# Altium PCB radxa_nx4_io_board_v1.11.PcbDoc (part 7 of 13)
Units mil, origin at the board's own origin, x right, y up, seen from the top; angles counter-clockwise.
Board outline 3937.01 x 3110.23 mil, 6 copper layers (TOP, GND02, ART03, ART04, GND05, BOTTOM), stack 47.2 mil thick; 639 components, 522 nets, 2442 pads, 1896 vias.
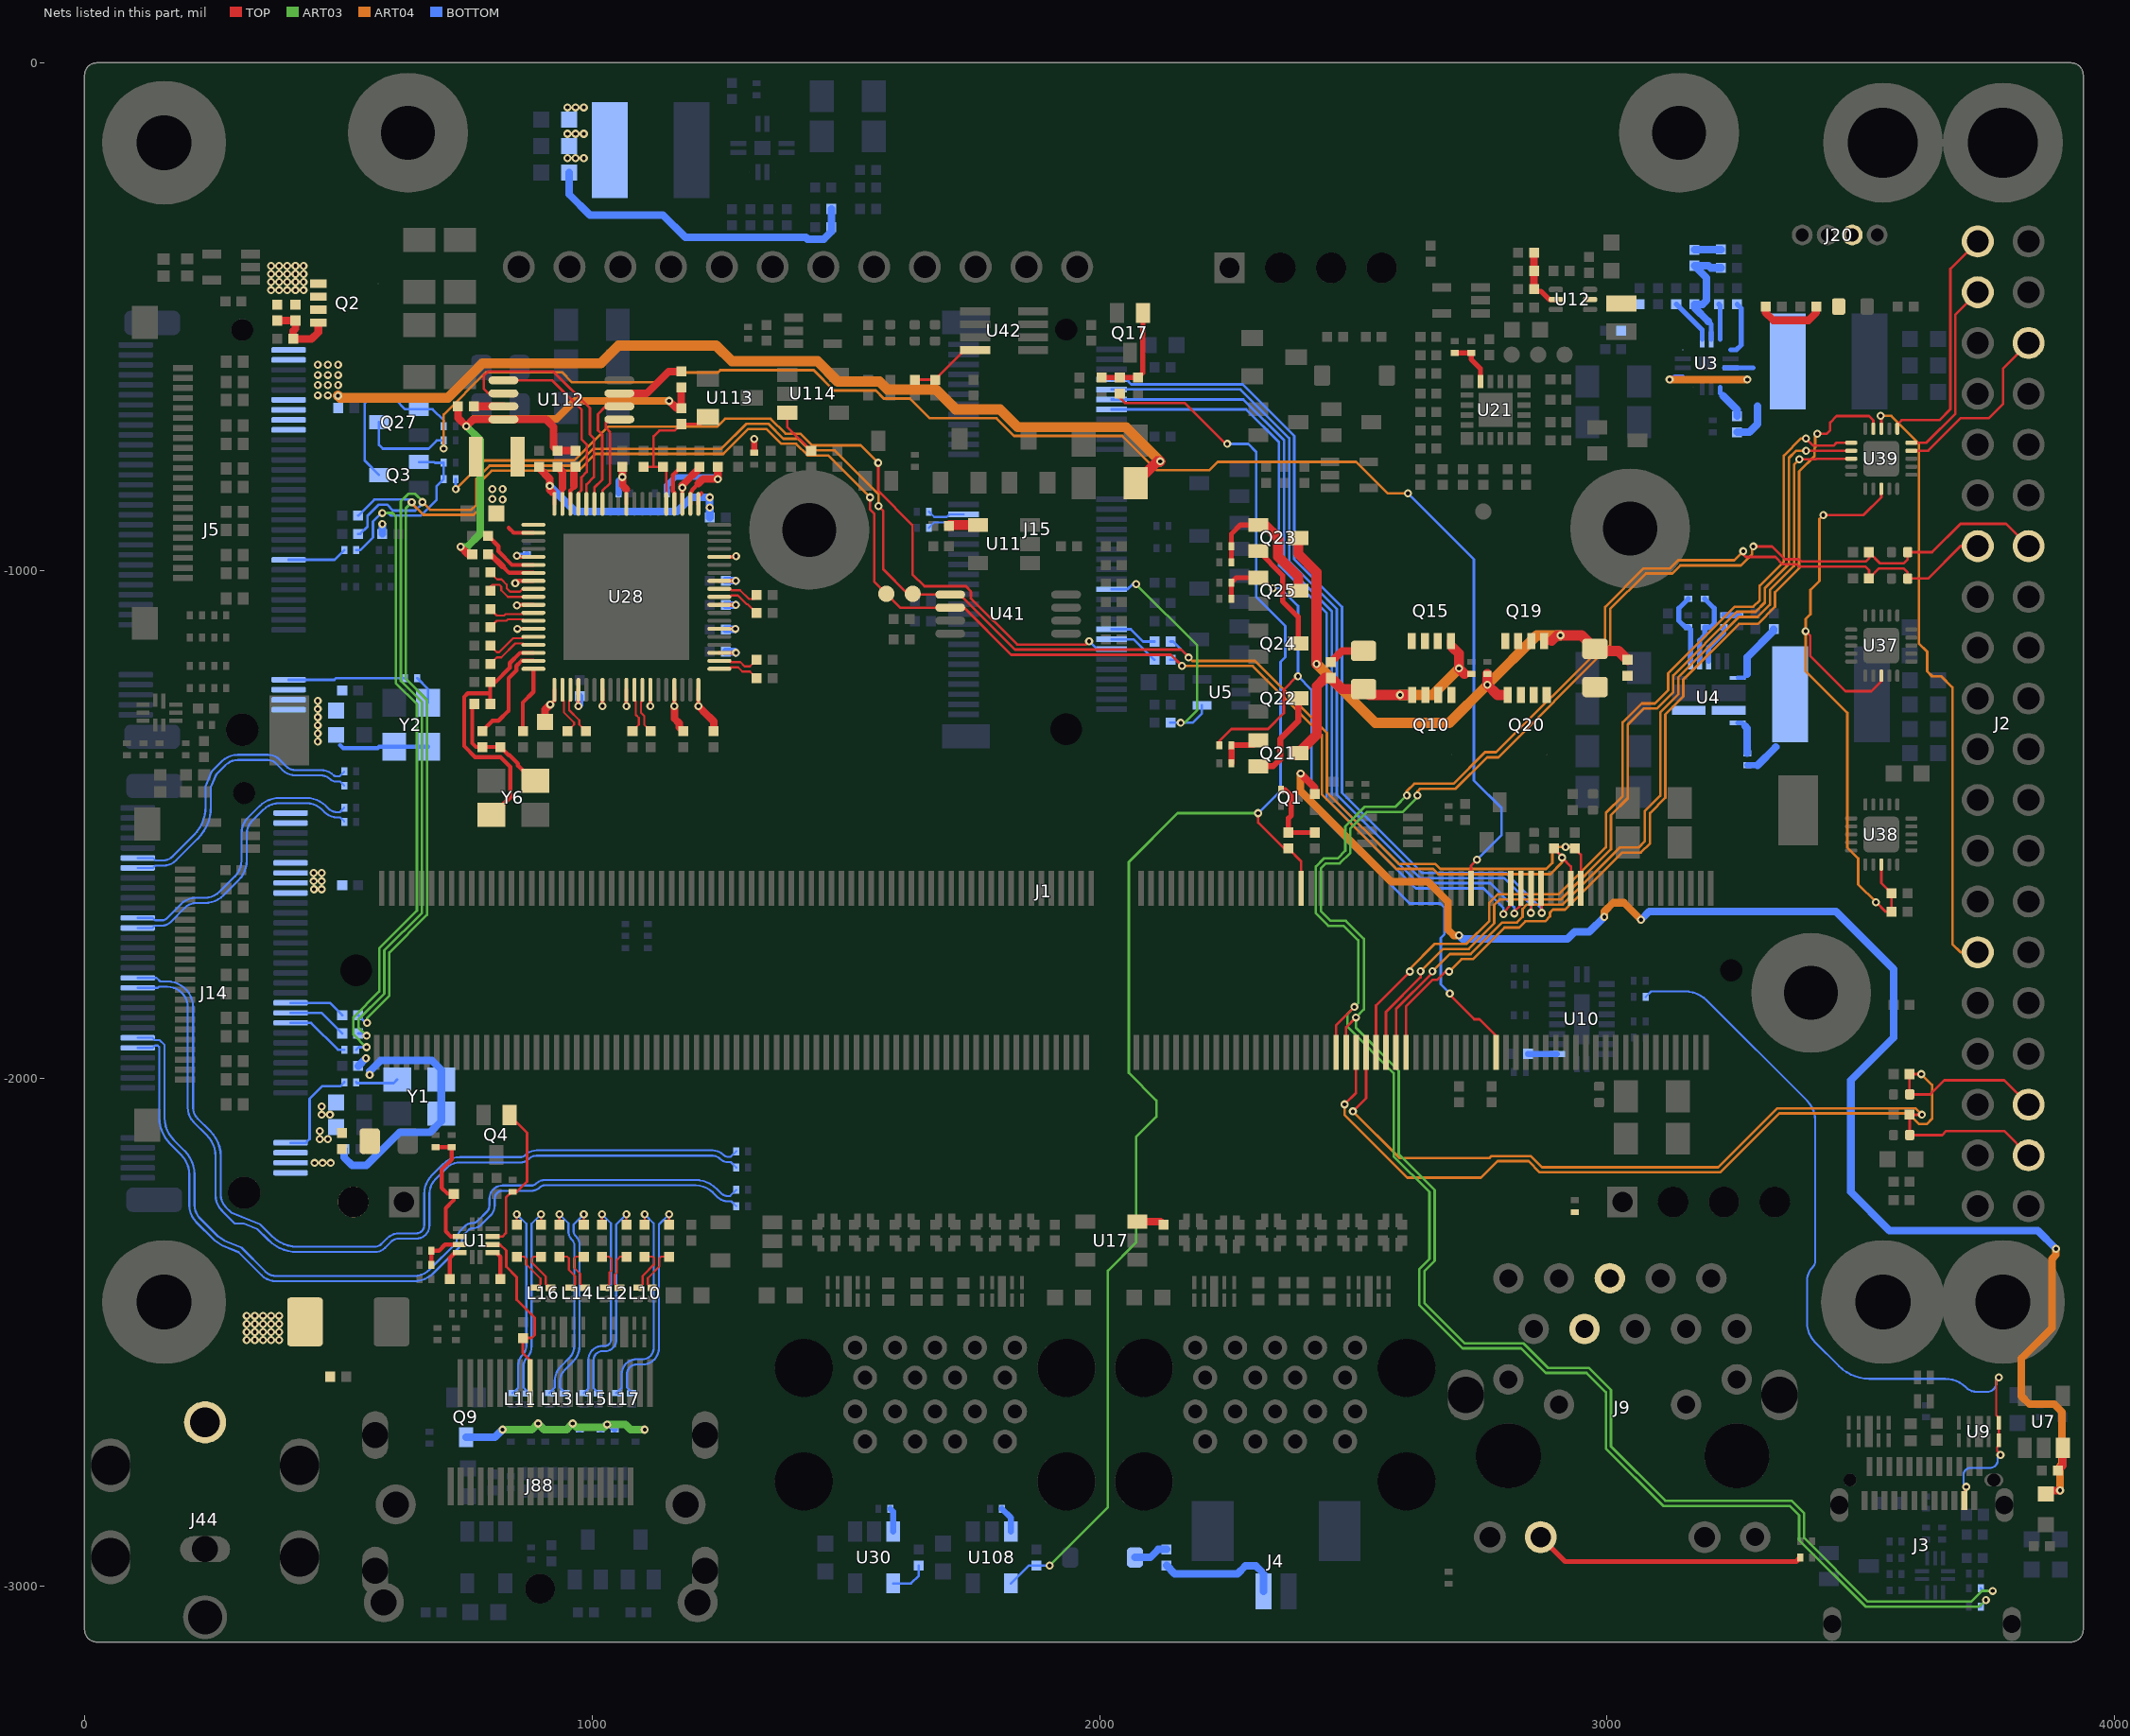
[diagram p11: the nets of this part, all layers, seen from the top]

## Via types
v1: diameter 16, hole 8, TOP to BOTTOM, 1896 vias

## Nets (pads, with @x,y where several pads share a name; then routed paths per layer and width w, separated by ;. In a path a pad name is that pad's centre, name@x,y a point inside that pad or via, vN(x,y) a via of type N, cw(c..) or ccw(c..) an arc to the next point about the centre after c; other vN are vias at no path point) (continued)
HUB_1V1: C398.1 C404.1 C405.1 C407.1 C408.1 C409.1 C410.1 L28.1 U28.3 U28.9 U28.12 U28.22 U28.40 U28.46 U28.49 U28.61 U28.67 U28.70 U28.76 | length 579.7
  TOP w8: 836,-916 846.02,-926.02 U28.40@884.93,-926.02 ; v1(849,-1025) 853.5,-1020.5 U28.46@884.93,-1020.5 ; v1(852.25,-1068.75) 853.25,-1067.75 U28.49@884.93,-1067.75 ; v1(973.51,-1267) U28.61@973.51,-1235.07 ; v1(1068,-1267.24) U28.67@1068,-1235.07 ; v1(1115.24,-1267.24) U28.70@1115.24,-1235.07 ; U28.22@1178.24,-868.93 v1(1178.24,-837) ; v1(1209.73,-1267.24) U28.76@1209.73,-1235.07 ; U28.3@1251.07,-1162.24 v1(1283.76,-1162.24) ; U28.9@1251.07,-1067.75 v1(1283.5,-1067.75) ; U28.12@1251.07,-1020.5 v1(1283.5,-1020.5)
  TOP w15: v1(1178.24,-837) 1178.24,-832.29 1212,-798.53 C410.1@1212,-795.75 ; v1(1209.73,-1267.24) 1220,-1277.51 ; 1220,-1277.53 1240,-1297.53 C408.1@1240,-1316.25
  BOTTOM w15: v1(973.51,-1267) 976,-1264.51 C407.1@976,-1247.75 ; C409.1@1263.75,-1160 1281.52,-1160 v1(1283.76,-1162.24) ; C405.1@1263.75,-1068 1283.25,-1068 v1(1283.5,-1067.75) ; C404.1@1263.75,-1020 1283,-1020 v1(1283.5,-1020.5)
  other v1: 824,-860 804,-859.25 804,-840 824,-840
HUB_3V3: C388.1 C414.1 C417.1 C418.1 C419.1 R176.2 R177.2 R178.2 R179.2 R318.2 R324.2 R329.1 R331.2 R340.2 R341.2 U28.6 U28.15 U28.21 U28.29 U28.43 U28.52 U28.58 U28.64 U28.73 U112.8 | length 1845.3
  TOP w8: v1(852.09,-970.95) 854.4,-973.26 U28.43@884.93,-973.26 ; v1(853.01,-1114.99) U28.52@884.93,-1114.99 ; v1(918,-1264) 926.27,-1255.73 U28.58@926.27,-1235.07 ; v1(1020.76,-1267.24) U28.64@1020.76,-1235.07 ; U28.29@1068,-868.93 1068,-840 ; v1(1162.49,-1267.24) U28.73@1162.49,-1235.07 ; U28.21@1193.98,-868.93 1193.98,-850.84 1198.22,-840.6 1209.63,-829.19 ; U28.6@1251.07,-1114.99 v1(1282.74,-1114.99) ; U28.15@1251.07,-973.26 1282.74,-973.26 v1(1284,-972)
  TOP w12: R177.2@1320,-768.19 v1(1320,-741)
  TOP w15: R329.1@736.25,-677 736.25,-699.55 v1(752.7,-716) 766.3,-702.4 U112.8@825.8,-702.4 909.82,-702.4 924.5,-717.08 924.5,-756.75 R341.2@932,-764.25 R340.2@968,-764.25 ; v1(741.41,-953.41) 756,-968 R324.2@764.25,-968 ; C388.1@908,-1298.44 908,-1274 v1(918,-1264) ; C417.1@1060,-795.75 v1(1060,-816) 1060,-832 1068,-840 ; v1(1152,-666) 1166.25,-680.25 R318.2@1176,-680.25 R331.2@1176,-639.75 ; v1(1162.49,-1267.24) 1162.49,-1291.42 1172,-1300.93 1172,-1308.25 C418.1@1180,-1316.25 ; 1209.63,-829.19 1218.82,-820 v1(1248,-820) C419.1@1248,-795.75
  ART03 w15: v1(741.41,-953.41) 754.59,-953.41 780,-928 780,-743.3 v1(752.7,-716)
  ART04 w15: v1(752.7,-716) 767.2,-701.5 930.5,-701.5 966,-666 v1(1152,-666)
  BOTTOM w12: v1(852.09,-970.95) 868.86,-970.95 R178.2@872,-967.81 ; R179.2@1052.19,-848 1052.19,-823.81 v1(1060,-816) ; R176.2@1147.81,-848 1147.81,-832.19 1164,-816 1244,-816 v1(1248,-820)
  BOTTOM w15: C414.1@1263.75,-1116 1281.73,-1116 v1(1282.74,-1114.99)
HUB_RST_3V3: C382.2 R318.1 R342.1 U28.24 U113.2 | length 296.7
  TOP w5: R342.1@1102,-795.75 1121.66,-795.75 ; U28.24@1146.74,-868.93 1146.74,-802.49 C382.2@1140,-795.75 1121.66,-795.75 ; U113.2@1228.69,-697.4 1214.34,-711.75 R318.1@1176,-711.75 1163.25,-724.5 1133.16,-724.5 1121.66,-736 1121.66,-795.75
HUB_SPI_CLK: U28.34 U112.6 | length 508.5
  TOP w5: U112.6@825.8,-651.2 796.25,-651.2 787,-641.95 787,-617 796,-608 924,-608 996,-680 996,-732 1004,-740 1004,-816.01 989.26,-830.75 U28.34@989.26,-868.93
HUB_SPI_CS: U28.32 U112.1 | length 199.5
  TOP w5: U28.32@1020.76,-868.93 1020.76,-843.24 1036,-828 1036,-728 1027.54,-719.54 1027.54,-708.46 1033.6,-702.4 U112.1@1054.2,-702.4
HUB_SPI_D: U28.35 U112.5 | length 374.2
  TOP w5: U112.5@825.8,-625.6 921.6,-625.6 980,-684 980,-742.14 989.86,-752 989.86,-806.14 979.26,-816.74 979.26,-841.84 973.51,-847.59 U28.35@973.51,-868.93
HUB_SPI_Q: U28.33 U112.2 | length 235.2
  TOP w5: U28.33@1005.01,-868.93 1005.01,-836.71 1020.25,-821.47 1020.25,-732.25 1012,-724 1012,-692 1027.2,-676.8 U112.2@1054.2,-676.8
HUB_XI: C379.2 R323.1 U28.55 Y6.1 | length 528.3
  TOP w8: R323.1@799.75,-1263 799.75,-1241.84 ; Y6.1@801.69,-1481.46 804.63,-1481.46 839.25,-1446.84 839.25,-1386.77 820.07,-1367.59 770.01,-1367.59 748.41,-1345.99 748.41,-1249 755.57,-1241.84 799.75,-1241.84 ; U28.55@884.93,-1162.24 858.62,-1162.24 838.31,-1182.55 838.31,-1191.48 809.79,-1220 C379.2@799.75,-1220 799.75,-1241.84
HUB_XO: R317.2 U28.56 | length 200.9
  TOP w8: R317.2@784,-1316.25 804.12,-1296.13 816.07,-1296.13 836,-1276.2 836,-1212.18 851.31,-1196.87 851.31,-1187.94 861.27,-1177.98 U28.56@884.93,-1177.98
I2C1_SCL: D62.2 J1.189 J2.5 R5.2 | length 1850.4
  TOP w5: v1(2482.53,-2051.57) 2505.31,-2028.79 J1.189@2505.31,-1948.92 ; v1(3618.59,-1992) R5.2@3595.75,-1992 3595.75,-2031.75 D62.2@3596,-2032 3636,-2032 3664,-2004 3782,-2004 J2.5@3830,-2052
  ART04 w5: v1(2482.53,-2051.57) 2482.53,-2072.45 2606.08,-2196 2751.45,-2196 2784,-2163.45 2845.19,-2163.45 2867.24,-2185.5 3222.96,-2185.5 3339.21,-2069.25 3593.25,-2069.25 3614,-2090 3630,-2090 3640,-2080 3640,-2013.41 v1(3618.59,-1992)
I2C1_SDA: D63.2 J1.191 J2.3 R6.2 | length 1672
  TOP w5: v1(2499.03,-2065.42) 2524.99,-2039.46 J1.191@2524.99,-1948.92 ; v1(3620,-2072) R6.2@3595.75,-2072 3596,-2072.25 D63.2@3596,-2112 3660,-2112 3668,-2104 3782,-2104 J2.3@3830,-2152
  ART04 w5: v1(2499.03,-2065.42) 2590.95,-2157.34 2768.09,-2157.34 2771.98,-2153.45 2849.34,-2153.45 2871.39,-2175.5 3218.81,-2175.5 3335.06,-2059.25 3607.25,-2059.25 v1(3620,-2072)
I2C2_M2E_SCL: J15.60 R172.2 | length 101.3
  BOTTOM w5: J15.60@2023.74,-1135.56 2067.2,-1135.56 2107.64,-1176 R172.2@2108.25,-1176
I2C2_M2E_SDA: J15.58 R173.2 | length 94.5
  BOTTOM w5: J15.58@2023.74,-1115.87 2061.67,-1115.87 2085.8,-1140 R173.2@2108.25,-1140
I2C2_M2M_SCL: J14.40 R158.2 | length 111.7
  BOTTOM w5: J14.40@406.63,-1851.69 483.94,-1851.69 R158.2@508.25,-1876
I2C2_M2M_SDA: J14.42 R159.2 | length 118.4
  BOTTOM w5: J14.42@406.63,-1871.37 467.62,-1871.37 R159.2@508.25,-1912
I2C2_SCL: J1.232 R4.2 R94.1 R158.1 R172.1 TP34.1 U41.6 | length 4281.3
  TOP w5: v1(1548.05,-856.06) 1548.05,-880.05 1556,-888 1556,-1022 TP34.1@1580,-1046 1607.2,-1073.2 U41.6@1705.8,-1073.2 1733.2,-1073.2 1826,-1166 2140.41,-1166 v1(2162.41,-1188) ; R4.2@2895,-1547.75 2911.12,-1563.87 v1(2911.12,-1565.56) 2928.54,-1582.98 J1.232@2928.54,-1626.09
  ART03 w5: v1(556.87,-1891.12) 556.87,-1881.92 601.1,-1837.69 601.1,-1752.6 675.33,-1678.37 675.33,-1255.03 633.7,-1213.4 633.7,-877 v1(645.2,-865.5)
  ART04 w5: v1(645.2,-865.5) 645.2,-867.69 668.01,-890.5 766.99,-890.5 782.5,-874.99 782.5,-823.65 802.65,-803.5 973.58,-803.5 1006.58,-770.5 1258.99,-770.5 1308.24,-721.25 1343.72,-721.25 1372.97,-750.5 1402.2,-750.5 1425.2,-773.5 1465.49,-773.5 v1(1548.05,-856.06) ; v1(2162.41,-1188) 2162.5,-1188.09 2301.95,-1188.09 2437.85,-1323.99 2437.85,-1440.8 2585.13,-1588.08 2657.28,-1588.08 2667.2,-1598 2887.86,-1598 2911.12,-1574.74 v1(2911.12,-1565.56)
  BOTTOM w5: R158.1@539.75,-1876 554.87,-1891.12 v1(556.87,-1891.12) ; R94.1@539.75,-892 571.41,-860.34 640.04,-860.34 v1(645.2,-865.5) ; R172.1@2139.75,-1176 2150.41,-1176 v1(2162.41,-1188)
I2C2_SDA: J1.234 R3.2 R93.1 R159.1 R173.1 TP35.1 U41.5 | length 4434.9
  TOP w5: v1(1564.55,-873.21) 1574,-882.66 1574,-998 1622,-1046 TP35.1@1632,-1046 1633.6,-1047.6 U41.5@1705.8,-1047.6 1724.96,-1047.6 1833.36,-1156 2160.68,-1156 2175.52,-1170.84 v1(2175.52,-1171.5) ; v1(2918,-1544.75) 2933,-1544.75 R3.2@2936,-1547.75 2948.22,-1559.97 J1.234@2948.22,-1626.09
  ART03 w5: v1(556,-1916.49) 556,-1916 540.37,-1900.37 540.37,-1884.27 591.1,-1833.54 591.1,-1748.45 665.33,-1674.22 665.33,-1259.18 623.7,-1217.55 623.7,-863.66 638.36,-849 652.04,-849 666.2,-863.16 v1(666.2,-865.35)
  ART04 w5: v1(666.2,-865.35) 681.35,-880.5 762.84,-880.5 772.5,-870.84 772.5,-819.5 798.5,-793.5 969.43,-793.5 1002.43,-760.5 1254.84,-760.5 1304.09,-711.25 1347.87,-711.25 1377.12,-740.5 1406.35,-740.5 1429.35,-763.5 1478.83,-763.5 1564.55,-849.22 v1(1564.55,-873.21) ; v1(2175.52,-1171.5) 2176.18,-1171.5 2182.77,-1178.09 2306.1,-1178.09 2447.85,-1319.84 2447.85,-1436.65 2589.28,-1578.08 2661.43,-1578.08 2671.35,-1588 2880,-1588 2892,-1576 2892,-1551.99 2899.24,-1544.75 v1(2918,-1544.75)
  BOTTOM w5: R159.1@539.75,-1912 551.51,-1912 v1(556,-1916.49) ; R93.1@539.75,-928 543.91,-928 558.09,-913.82 558.09,-892.66 580.41,-870.34 596.49,-870.34 608.15,-882 652.04,-882 666.2,-867.84 v1(666.2,-865.35) ; R173.1@2139.75,-1140 2145.05,-1140 2175.52,-1170.47 v1(2175.52,-1171.5)
I2S0_LRCK: J1.197 U39.3 | length 1725.6
  TOP w5: J1.197@2584.05,-1948.92 2584.05,-1864.02 2655.66,-1792.41 v1(2655.66,-1789.66) ; v1(3378.79,-780.85) 3411.24,-780.85 3412.09,-780 U39.3@3480.76,-780
  ART04 w5: v1(2655.66,-1789.66) 2689.82,-1755.5 2731.22,-1755.5 2793.39,-1693.33 2822.35,-1693.33 2833.3,-1682.38 2833.3,-1666.7 2842,-1658 2912.77,-1658 3025.23,-1545.54 3062.16,-1545.54 3074.32,-1533.38 3074.32,-1473.73 3104.5,-1443.55 3104.5,-1279.55 3140,-1244.05 3140,-1210.84 3259.33,-1091.51 3296.36,-1091.51 3320.51,-1067.36 3320.51,-1038.62 3368,-991.13 3368,-791.64 v1(3378.79,-780.85)
I2S0_LRCK_LS: J2.35 U39.14 | length 359.7
  TOP w5: U39.14@3599.24,-764.25 3632.39,-764.25 3696.64,-700 3752,-700 3780,-672 3780,-602 J2.35@3830,-552
I2S0_SCLK: J1.199 U39.19 | length 1826.9
  TOP w5: J1.199@2603.73,-1948.92 2603.73,-1858.49 2655.79,-1806.43 2664.98,-1806.43 2681.48,-1789.93 v1(2688.66,-1789.93) ; v1(3413.64,-730.97) 3432.37,-730.97 3439.15,-724.19 3439.15,-708.84 3451.99,-696 3516,-696 3524.25,-704.25 U39.19@3524.25,-720.76
  ART04 w5: v1(2688.66,-1789.93) 2713.09,-1765.5 2735.37,-1765.5 2797.54,-1703.33 2826.51,-1703.33 2838.84,-1691 2877.66,-1691 2887.3,-1681.36 2887.3,-1674.02 2893.32,-1668 2916.92,-1668 3029.38,-1555.54 3066.31,-1555.54 3084.32,-1537.53 3084.32,-1477.88 3114.5,-1447.7 3114.5,-1283.7 3150,-1248.2 3150,-1214.99 3259.66,-1105.33 3296.69,-1105.33 3330.51,-1071.51 3330.51,-1042.77 3378,-995.28 3378,-804.98 3408.4,-774.58 3408.4,-759.6 3409.64,-758.36 3409.64,-734.97 v1(3413.64,-730.97)
I2S0_SCLK_LS: J2.12 U39.18 | length 1204.1
  TOP w5: v1(3538.73,-695.61) 3540,-696.88 U39.18@3540,-720.76
  ART04 w5: v1(3538.73,-695.61) 3559.61,-695.61 3613.98,-749.98 3613.98,-1143.49 3630.5,-1160.01 3630.5,-1198.85 3640.15,-1208.5 3658.35,-1208.5 3680,-1230.15 3680,-1736 3696,-1752 J2.12@3730,-1752
I2S0_SDIN: J1.195 U39.2 | length 1764.9
  TOP w5: J1.195@2564.36,-1948.92 2564.36,-1869.55 2632.38,-1801.53 v1(2632.38,-1789.6) ; v1(3391.9,-764.35) 3392,-764.25 U39.2@3480.76,-764.25
  ART04 w5: v1(2632.38,-1789.6) 2676.48,-1745.5 2727.07,-1745.5 2777.55,-1695.02 2777.55,-1658.75 2788.3,-1648 2908.62,-1648 3007.5,-1549.12 3007.5,-1481.72 3040.5,-1448.72 3040.5,-1303.5 3072.12,-1271.88 3098.02,-1271.88 3130,-1239.9 3130,-1206.69 3255.18,-1081.51 3292.21,-1081.51 3310.51,-1063.21 3310.51,-1034.47 3358,-986.98 3358,-778.3 3371.95,-764.35 v1(3391.9,-764.35)
I2S0_SDIN_LS: J2.38 U39.15 | length 367.8
  TOP w5: U39.15@3599.24,-748.5 3628.5,-748.5 3686,-691 3686,-496 J2.38@3730,-452
I2S0_SDOUT: J1.193 U39.1 | length 1806.6
  TOP w5: J1.193@2544.68,-1948.92 2544.68,-1856.63 v1(2611.38,-1789.93) ; v1(3391.33,-740) 3405.58,-754.25 3446.25,-754.25 3452,-748.5 U39.1@3480.76,-748.5
  ART04 w5: v1(2611.38,-1789.93) 2611.38,-1784.61 2660.49,-1735.5 2722.92,-1735.5 2767.55,-1690.87 2767.55,-1654.6 2784.15,-1638 2904.47,-1638 2997.5,-1544.97 2997.5,-1477.57 3030.5,-1444.57 3030.5,-1299.34 3067.96,-1261.88 3093.87,-1261.88 3120,-1235.75 3120,-1202.54 3251.03,-1071.51 3288.06,-1071.51 3300.51,-1059.06 3300.51,-1030.32 3348,-982.83 3348,-774.15 3382.15,-740 v1(3391.33,-740)
I2S0_SDOUT_LS: J2.40 U39.16 | length 478
  TOP w5: U39.16@3571.5,-720.76 3571.5,-712.5 3580,-704 3654.34,-704 3676,-682.34 3676,-406 J2.40@3730,-352
I2S1_LRCK: J1.224 J15.10 | length 1667.3
  TOP w5: v1(2849.8,-1674.5) J1.224@2849.8,-1626.09
  BOTTOM w5: J15.10@2023.74,-643.43 2277.71,-643.43 2373.52,-739.24 2373.52,-981.82 2467.5,-1075.8 2467.5,-1442.14 2631.36,-1606 2796.74,-1606 2849.8,-1659.06 v1(2849.8,-1674.5)
I2S1_SCLK: J1.226 J15.8 | length 1693
  TOP w5: J1.226@2869.48,-1626.09 2869.48,-1658.58 2870.8,-1659.9 v1(2870.8,-1674.5)
  BOTTOM w5: J15.8@2023.74,-623.74 2053.06,-623.74 2062.75,-633.43 2281.86,-633.43 2383.52,-735.09 2383.52,-977.67 2477.5,-1071.65 2477.5,-1437.99 2635.51,-1596 2800.9,-1596 2870.8,-1665.9 v1(2870.8,-1674.5)
I2S1_SDIN: J1.222 J15.12 | length 1631.4
  TOP w5: v1(2816.8,-1675.53) 2816.8,-1671.89 2830.11,-1658.58 J1.222@2830.11,-1626.09
  BOTTOM w5: J15.12@2023.74,-663.11 2283.24,-663.11 2363.52,-743.39 2363.52,-985.97 2457.5,-1079.95 2457.5,-1446.29 2627.21,-1616 2769.83,-1616 2816.8,-1662.97 v1(2816.8,-1675.53)
I2S1_SDOUT: J1.220 J15.14 | length 1604
  TOP w5: v1(2795.83,-1676.83) 2795.83,-1673.16 2810.43,-1658.56 J1.220@2810.43,-1626.09
  BOTTOM w5: J15.14@2023.74,-682.8 2288.78,-682.8 2353.52,-747.54 2353.52,-990.12 2447.5,-1084.1 2447.5,-1450.44 2623.06,-1626 2756.49,-1626 2795.83,-1665.34 v1(2795.83,-1676.83)
ID_I2C_SCL: D60.2 J1.185 J2.28 R1.2 R86.1 | length 4303.9
  TOP w5: J1.185@2465.94,-1948.92 2465.94,-1895.74 v1(2501.97,-1859.71) ; v1(3268,-962.24) 3268,-968.5 3273,-973.5 3331.34,-973.5 3345.84,-988 3373.8,-988 3378.14,-992.34 3508.34,-992.34 3515.75,-999.75 R1.2@3515.75,-1016 3535.75,-996 3584,-996 3592,-1004 D60.2@3592,-1016 3632.01,-1016 3696.01,-952 J2.28@3730,-952
  ART03 w5: v1(2605.29,-1442.95) 2582.79,-1465.45 2522.55,-1465.45 2484,-1504 2484,-1552 2468.88,-1567.12 2441.77,-1567.12 2426,-1582.89 2426,-1675.2 2450.74,-1699.94 2480.84,-1699.94 2509.53,-1728.63 2509.53,-1852.15 v1(2501.97,-1859.71) 2488.38,-1873.3 2488.38,-1898.64 2579.5,-1989.76 2579.5,-2153.65 2650,-2224.15 2650,-2355.85 2630,-2375.85 2630,-2447.1 2714.97,-2532.07 2830.58,-2532.07 2879.01,-2580.5 2959.4,-2580.5 2997.5,-2618.6 2997.5,-2729.5 3110.35,-2842.35 3359.22,-2842.35 3378.03,-2861.16 3378.03,-2910.03 3508.86,-3040.86 3733.14,-3040.86 v1(3746,-3028)
  ART04 w5: v1(2605.29,-1442.95) 2605.29,-1434.71 2619.91,-1420.09 2697.25,-1420.09 2759.34,-1358 2781.34,-1358 2996,-1143.34 2996,-1072 3072,-996 3124,-996 3139.99,-980.01 3250.23,-980.01 v1(3268,-962.24)
  BOTTOM w5: R86.1@3735.81,-3040.86 3735.81,-3038.19 v1(3746,-3028)
ID_I2C_SDA: D61.2 J1.187 J2.27 R2.2 R88.1 | length 4390.4
  TOP w5: J1.187@2485.62,-1948.92 2485.62,-1899.96 v1(2505.1,-1880.48) ; v1(3287.89,-952.76) 3324.75,-952.76 3349.99,-978 3377.95,-978 3382.29,-982.34 3509.65,-982.34 3515.75,-976.24 R2.2@3515.75,-964 3537.75,-986 3584,-986 3592,-978 D61.2@3592,-964 3640,-964 3696,-908 3786,-908 J2.27@3830,-952
  ART03 w5: v1(2626.29,-1443.01) 2626.29,-1446.7 2597.54,-1475.45 2526.7,-1475.45 2494,-1508.15 2494,-1556.15 2473.03,-1577.12 2445.92,-1577.12 2436,-1587.04 2436,-1671.05 2454.89,-1689.94 2484.99,-1689.94 2520.73,-1725.68 2520.73,-1864.85 v1(2505.1,-1880.48) 2505.1,-1901.2 2589.5,-1985.6 2589.5,-2149.5 2660,-2220 2660,-2360 2640,-2380 2640,-2442.95 2719.12,-2522.07 2834.73,-2522.07 2883.16,-2570.5 2963.55,-2570.5 3007.5,-2614.45 3007.5,-2725.35 3114.5,-2832.35 3363.37,-2832.35 3388.03,-2857.01 3388.03,-2905.88 3513.01,-3030.86 3717.14,-3030.86 3738.11,-3009.89 v1(3759.18,-3009.89)
  ART04 w5: v1(2626.29,-1443.01) 2626.29,-1435.09 2631.29,-1430.09 2701.4,-1430.09 2763.49,-1368 2785.49,-1368 3006,-1147.49 3006,-1076.15 3076.15,-1006 3128.15,-1006 3144.14,-990.01 3263.58,-990.01 3285.18,-968.41 3285.18,-955.47 v1(3287.89,-952.76)
  BOTTOM w5: R88.1@3735.81,-3004.86 3740.84,-3009.89 v1(3759.18,-3009.89)
LED0_CTRL: Q1.1 R13.2 R14.2 | length 151.7
  TOP w10: Q1.1@2357.49,-1432.15 2365.99,-1432.15 2377.59,-1443.75 2377.59,-1482.42 2372,-1488.01 R14.2@2372,-1516.25 R13.2@2424,-1516.25
LED1_CTRL: Q17.1 R222.2 R225.2 R226.2 | length 203.6
  TOP w10: R222.2@2004,-620.25 R226.2@2040,-620.25 R225.2@2076,-620.25 2085,-611.25 2085,-522.91 2085.59,-522.32 Q17.1@2085.59,-492.63
LS_EN: R200.2 R202.2 U37.8 U38.8 U39.8 | length 1359.8
  TOP w5: v1(3390.99,-1119.64) 3400,-1128.65 3400,-1168.55 3469.19,-1237.74 3520.41,-1237.74 3540,-1218.15 U37.8@3540,-1207.24 ; v1(3425.64,-890.95) 3505.05,-890.95 3540,-856 U39.8@3540,-839.24 ; v1(3529.5,-1653.5) 3548,-1672 R200.2@3560.25,-1672 R202.2@3560.25,-1636 3540,-1615.75 U38.8@3540,-1579.24
  ART04 w5: v1(3425.64,-890.95) 3418,-898.59 3418,-1020.54 3400.23,-1038.31 3400.23,-1086.31 3390.99,-1095.55 v1(3390.99,-1119.64) 3390.99,-1198.41 3473,-1280.42 3473,-1545.64 3494.5,-1567.14 3494.5,-1618.5 v1(3529.5,-1653.5)
M2_ALERT*: J1.212 Q27.3 R64.2 | length 3210.7
  TOP w5: J1.212@2731.69,-1626.09 2731.69,-1581.53 v1(2743.72,-1569.5)
  ART04 w5: v1(708,-760) 708.19,-759.81 708.19,-693.04 791.73,-609.5 941.16,-609.5 961.16,-629.5 1132,-629.5 1151.15,-610.35 1248,-610.35 1252.85,-605.5 1437.04,-605.5 1477.04,-645.5 1559.13,-645.5 1574.88,-661.25 1626.84,-661.25 1665.78,-700.19 1796.85,-700.19 1831.7,-735.04 2044.92,-735.04 2112.55,-802.67 2216.38,-802.67 2232.89,-786.16 2505.5,-786.16 2567.59,-848.25 v1(2607.59,-848.25)
  BOTTOM w5: Q27.3@580.63,-708 580.63,-752.64 587.99,-760 678.46,-760 694.46,-744 R64.2@708.19,-744 708.19,-759.81 v1(708,-760) ; v1(2607.59,-848.25) 2737.5,-978.16 2737.5,-1413.8 2792,-1468.3 2792,-1521.22 v1(2743.72,-1569.5)
M2E_ALERT*: J15.62 R66.2 | length 1659.9
  TOP w5: v1(1564,-788) 1564,-843.28 1631.5,-910.78 1631.5,-1007.5 1655.2,-1031.2 1736.88,-1031.2 1746.84,-1041.16 1746.84,-1055.33 1837.51,-1146 1972.95,-1146 v1(1979.45,-1139.5)
  ART04 w5: v1(731.81,-839.81) 788.12,-783.5 965.28,-783.5 1031.78,-717 1246.37,-717 1262.12,-701.25 1352.02,-701.25 1381.27,-730.5 1410.5,-730.5 1433.5,-753.5 1529.5,-753.5 v1(1564,-788)
  BOTTOM w5: v1(731.81,-839.81) R66.2@731.81,-820 ; v1(1979.45,-1139.5) 1995.19,-1155.24 J15.62@2023.74,-1155.24
M2E_SUSCLK_32KHZ: J15.50 R28.2 U5.4 | length 478.8
  ART03 w5: v1(2072,-1027) 2192.5,-1147.5 2192.5,-1274.9 2167.4,-1300 v1(2160,-1300)
  BOTTOM w5: J15.50@2023.74,-1037.13 2054.87,-1037.13 2065,-1027 v1(2072,-1027) ; R28.2@2139.75,-1300 v1(2160,-1300) 2183.37,-1300 2201.81,-1281.56 U5.4@2201.81,-1265.59
M2M0_ALERT*: J5.44 R65.2 | length 117.5
  BOTTOM w5: J5.44@402.63,-979.06 493.13,-979.06 R65.2@512.19,-960
M2M1_ALERT*: Q3.1 R62.2 R65.1 R66.1 R67.1 | length 1527.4
  ART03 w5: v1(556,-1939) 555.16,-1939 530.37,-1914.21 530.37,-1880.12 581.1,-1829.39 581.1,-1744.3 655.33,-1670.07 655.33,-1263.33 613.7,-1221.7 613.7,-893.15 607.39,-886.84 v1(587.25,-886.84)
  BOTTOM w5: R67.1@535.81,-1944 540.81,-1939 v1(556,-1939) ; R65.1@535.81,-960 544,-960 568.91,-935.09 568.91,-903.75 585.82,-886.84 v1(587.25,-886.84) 598.84,-886.84 604,-892 662.9,-892 694.16,-860.74 694.16,-834.03 R66.1@708.19,-820 R62.2@708.19,-788 690.78,-788 689.19,-786.41 Q3.1@659.37,-786.41
M2M_SUSCLK_32KHZ: J5.68 R68.2 | length 231
  BOTTOM w5: J5.68@402.63,-1215.28 402.74,-1215.39 492.62,-1215.39 496.01,-1212 R68.2@632.19,-1212
M2M_SUSCLK_32KHZ_64511: J14.68 R61.2 | length 201.6
  BOTTOM w5: J14.68@406.63,-2127.28 436.74,-2127.28 444,-2120.02 444,-2040.38 468.38,-2016 504.19,-2016 R61.2@512.19,-2008
MKEY_3V3: C73.1 C76.1 C77.1 C100.1 C117.1 C119.1 C120.1 C126.1 C127.1 C128.1 C140.1 J5.2 J5.4 J5.12 J5.14 J5.16 J5.18 J5.70 J5.72 J5.74 J14.2 J14.4 J14.12 J14.14 J14.16 J14.18 J14.70 J14.72 J14.74 L2.2 R71.1 R91.1 R123.1 R125.1 R156.1 Y1.1 Y1.4 Y2.1 Y2.4 | length 3204.6
  TOP w20: R91.1@2071.18,-828 2114.01,-785.17 v1(2119.8,-785.17)
  ART04 w20: v1(500,-656) 504,-660 716.48,-660 784.48,-592 1017.5,-592 1052.5,-557 1245,-557 1276,-588 1444.29,-588 1484.29,-628 1566.38,-628 1582.13,-643.75 1677.71,-643.75 1716.65,-682.69 1804.1,-682.69 1838.95,-717.54 2052.17,-717.54 v1(2119.8,-785.17)
  BOTTOM w7.87: 504,-1344 510,-1350 578.01,-1350 580.7,-1347.31 Y2.1@610.54,-1347.31 Y2.4@677.46,-1347.31
  BOTTOM w15: C128.1@512.25,-2140 512.25,-2156.25 528,-2172 556,-2172 621.42,-2106.58 681.42,-2106.58 703.31,-2084.69 Y1.1@703.31,-2069.46 Y1.4@703.31,-2002.54 703.31,-1983.31 685.42,-1965.42 583.52,-1965.42 562.17,-1986.77 v1(562.17,-1993.23) ; R156.1@539.75,-1976 v1(554.88,-1960.87) ; R71.1@587.25,-928 v1(587.25,-908.75) ; C117.1@955.56,-216 955.56,-259.56 996,-300 1140,-300 1184,-344 1421.52,-344 1424.86,-347.34 1456.75,-347.34 1471.75,-332.34 R123.1@1471.75,-324 R125.1@1471.75,-288

## Text inside footprints (layer, text, board x,y; h text height)
U24: PIN_NUMBER "5" at 2605.28,-1512 h15 r90; PIN_NUMBER "2" at 2514.72,-1512 h15 r90; PIN_NUMBER "4" at 2605.28,-1537.59 h15 r90; PIN_NUMBER "6" at 2605.28,-1486.41 h15 r90; PIN_NUMBER "1" at 2514.72,-1486.41 h15 r90; PIN_NUMBER "3" at 2514.72,-1537.59 h15 r90
U25: PIN_NUMBER "2" at 1343.41,-2321.24 h30; PIN_NUMBER "4" at 1241.05,-2283.84 h30; PIN_NUMBER "5" at 1241.05,-2358.64 h30; PIN_NUMBER "1" at 1343.41,-2358.64 h30; PIN_NUMBER "3" at 1343.41,-2283.84 h30
U28: PIN_NUMBER "31" at 1016.5,-868.93 h25 r180; PIN_NUMBER "30" at 1032.25,-868.93 h25 r180; PIN_NUMBER "28" at 1063.75,-868.93 h25 r180; PIN_NUMBER "77" at 1048,-1052 h25 r180; PIN_NUMBER "5" at 1241.07,-1130.74 h25 r180; PIN_NUMBER "65" at 1016.5,-1235.07 h25 r180; PIN_NUMBER "62" at 969.26,-1235.07 h25 r180; PIN_NUMBER "74" at 1158.24,-1235.07 h25 r180; PIN_NUMBER "8" at 1241.07,-1083.5 h25 r180; PIN_NUMBER "4" at 1241.07,-1146.49 h25 r180; PIN_NUMBER "7" at 1241.07,-1099.24 h25 r180; PIN_NUMBER "75" at 1173.98,-1235.07 h25 r180; PIN_NUMBER "16" at 1231.07,-957.51 h25 r180; PIN_NUMBER "17" at 1231.07,-941.76 h25 r180; PIN_NUMBER "66" at 1032.25,-1235.07 h25 r180; PIN_NUMBER "63" at 985.01,-1235.07 h25 r180; PIN_NUMBER "71" at 1110.99,-1235.07 h25 r180; PIN_NUMBER "14" at 1231.07,-989.01 h25 r180; PIN_NUMBER "13" at 1231.07,-1004.76 h25 r180; PIN_NUMBER "72" at 1126.74,-1235.07 h25 r180; PIN_NUMBER "42" at 864.93,-957.51 h25 r180; PIN_NUMBER "26" at 1095.24,-868.93 h25 r180; PIN_NUMBER "1" at 1241.07,-1193.73 h25 r180; PIN_NUMBER "2" at 1241.07,-1177.98 h25 r180; PIN_NUMBER "68" at 1063.75,-1235.07 h25 r180; PIN_NUMBER "69" at 1079.5,-1235.07 h25 r180; PIN_NUMBER "60" at 937.76,-1235.07 h25 r180; PIN_NUMBER "59" at 922.02,-1235.07 h25 r180; PIN_NUMBER "11" at 1231.07,-1036.25 h25 r180; PIN_NUMBER "10" at 1231.07,-1052 h25 r180; PIN_NUMBER "20" at 1189.73,-868.93 h25 r180; PIN_NUMBER "38" at 906.27,-868.93 h25 r180; PIN_NUMBER "50" at 864.93,-1083.5 h25 r180; PIN_NUMBER "44" at 864.93,-989.01 h25 r180; PIN_NUMBER "23" at 1142.49,-868.93 h25 r180; PIN_NUMBER "54" at 864.93,-1146.49 h25 r180; PIN_NUMBER "47" at 864.93,-1036.25 h25 r180; PIN_NUMBER "51" at 864.93,-1099.24 h25 r180; PIN_NUMBER "36" at 937.76,-868.93 h25 r180; PIN_NUMBER "57" at 864.93,-1193.73 h25 r180; PIN_NUMBER "37" at 922.02,-868.93 h25 r180; PIN_NUMBER "22" at 1158.24,-868.93 h25 r180; PIN_NUMBER "40" at 864.93,-926.02 h25 r180; PIN_NUMBER "12" at 1231.07,-1020.5 h25 r180; PIN_NUMBER "9" at 1241.07,-1067.75 h25 r180; PIN_NUMBER "46" at 864.93,-1020.5 h25 r180; PIN_NUMBER "49" at 864.93,-1067.75 h25 r180; PIN_NUMBER "3" at 1241.07,-1162.24 h25 r180; PIN_NUMBER "76" at 1189.73,-1235.07 h25 r180; PIN_NUMBER "70" at 1095.24,-1235.07 h25 r180; PIN_NUMBER "67" at 1048,-1235.07 h25 r180; PIN_NUMBER "61" at 953.51,-1235.07 h25 r180; PIN_NUMBER "35" at 953.51,-868.93 h25 r180; PIN_NUMBER "48" at 864.93,-1052 h25 r180; PIN_NUMBER "32" at 1000.76,-868.93 h25 r180; PIN_NUMBER "55" at 864.93,-1162.24 h25 r180; PIN_NUMBER "53" at 864.93,-1130.74 h25 r180; PIN_NUMBER "64" at 1000.76,-1235.07 h25 r180; PIN_NUMBER "15" at 1231.07,-973.26 h25 r180; PIN_NUMBER "6" at 1241.07,-1114.99 h25 r180; PIN_NUMBER "73" at 1142.49,-1235.07 h25 r180; PIN_NUMBER "43" at 864.93,-973.26 h25 r180; PIN_NUMBER "52" at 864.93,-1114.99 h25 r180; PIN_NUMBER "58" at 906.27,-1235.07 h25 r180; PIN_NUMBER "21" at 1173.98,-868.93 h25 r180; PIN_NUMBER "29" at 1048,-868.93 h25 r180; PIN_NUMBER "39" at 864.93,-910.27 h25 r180; PIN_NUMBER "45" at 864.93,-1004.76 h25 r180; PIN_NUMBER "34" at 969.26,-868.93 h25 r180; PIN_NUMBER "33" at 985.01,-868.93 h25 r180; PIN_NUMBER "24" at 1126.74,-868.93 h25 r180; PIN_NUMBER "56" at 864.93,-1177.98 h25 r180; PIN_NUMBER "25" at 1110.99,-868.93 h25 r180; PIN_NUMBER "18" at 1231.07,-926.02 h25 r180; PIN_NUMBER "41" at 864.93,-941.76 h25 r180; PIN_NUMBER "27" at 1079.5,-868.93 h25 r180; PIN_NUMBER "19" at 1231.07,-910.27 h25 r180; SILK-TOP "1" at 1299.81,-1217 h25 r90
U30: PIN_NUMBER "2" at 1568,-2892.82 h30 r90; PIN_NUMBER "5" at 1530.6,-2995.18 h30 r90; PIN_NUMBER "3" at 1605.4,-2892.82 h30 r90; PIN_NUMBER "4" at 1605.4,-2995.18 h30 r90; PIN_NUMBER "1" at 1530.6,-2892.82 h30 r90
U31: REVISION "4" at 132,-1266.89 h40 r180; PIN_NUMBER "3" at 112.32,-1264.25 h8 r180; PIN_NUMBER "1" at 152.67,-1257.36 h8 r180; PIN_NUMBER "2" at 136.93,-1255.39 h8 r180; PIN_NUMBER "9" at 177.28,-1280 h8 r180; PIN_NUMBER "10" at 174.08,-1264.25 h8 r180; PIN_NUMBER "5" at 112.32,-1295.75 h8 r180; PIN_NUMBER "4" at 112.32,-1280 h8 r180; PIN_NUMBER "7" at 152.67,-1304.61 h8 r180; PIN_NUMBER "6" at 136.93,-1304.61 h8 r180; PIN_NUMBER "8" at 177.28,-1295.75 h8 r180; NVIDIA_INFO "0.196" at 134.3,-1222.87 h8 r180; NVIDIA_INFO "1.9" at 50.4,-1273.43 h8 r270; NVIDIA_INFO "0.6" at 74.18,-1272.8 h8 r270; NVIDIA_INFO "2.3" at 155.87,-1377.36 h8 r180; NVIDIA_INFO "1" at 149.3,-1358.62 h8 r180; NVIDIA_INFO "0.75" at 212.57,-1246.22 h8 r270; NVIDIA_INFO "0.65" at 226.23,-1327.83 h8 r180; NVIDIA_INFO "0.4" at 231.66,-1247.83 h8 r270; NVIDIA_INFO "0.4" at 122.41,-1337.64 h8 r180; MECH_DIMENSION "1.8" at 154.57,-1339.72 h8 r180; MECH_DIMENSION "0.4" at 202.29,-1311.5 h8 r270; MECH_DIMENSION "0.4" at 177.8,-1321.14 h8 r180; MECH_DIMENSION "1.4" at 237.06,-1273.43 h8 r270; MECH_DIMENSION "0.2" at 146.23,-1236.77 h8 r180; MECH_DIMENSION "0.5" at 202.29,-1230.51 h8 r270; MECH_DIMENSION "0.4" at 105.09,-1325.51 h8 r180; MECH_DIMENSION "0.4" at 80.68,-1269.88 h8 r270; MECH_DIMENSION "0.2" at 99.42,-1234.45 h8 r270; MECH_DIMENSION "0.8" at 220.2,-1272.8 h8 r270; MECH_DIMENSION "1.5" at 253.16,-1273.43 h8 r270; MECH_DIMENSION "1.9" at 154.57,-1355.87 h8 r180
U37: PIN_NUMBER "9" at 3540.47,-1208.43 h9.25 r270; PIN_NUMBER "21" at 3518.61,-1152.66 h9.25 r270; PIN_NUMBER "3" at 3465.48,-1149.18 h9.25 r270; PIN_NUMBER "20" at 3485.83,-1093.87 h9.25 r270; PIN_NUMBER "19" at 3501.58,-1093.87 h9.25 r270; PIN_NUMBER "4" at 3465.48,-1164.93 h9.25 r270; PIN_NUMBER "17" at 3533.07,-1093.87 h9.25 r270; PIN_NUMBER "2" at 3465.48,-1133.43 h9.25 r270; PIN_NUMBER "5" at 3465.48,-1180.68 h9.25 r270; PIN_NUMBER "6" at 3493.23,-1208.43 h9.25 r270; PIN_NUMBER "1" at 3465.48,-1117.69 h9.25 r270; PIN_NUMBER "13" at 3576.57,-1153.12 h9.25 r270; PIN_NUMBER "15" at 3576.57,-1121.62 h9.25 r270; PIN_NUMBER "14" at 3576.57,-1137.37 h9.25 r270; PIN_NUMBER "18" at 3517.33,-1093.87 h9.25 r270; PIN_NUMBER "12" at 3576.57,-1168.87 h9.25 r270; PIN_NUMBER "8" at 3524.73,-1208.43 h9.25 r270; PIN_NUMBER "16" at 3548.82,-1093.87 h9.25 r270; PIN_NUMBER "7" at 3508.98,-1208.43 h9.25 r270; PIN_NUMBER "11" at 3576.57,-1184.61 h9.25 r270; PIN_NUMBER "10" at 3548.82,-1208.43 h9.25 r270
U38: PIN_NUMBER "21" at 3518.61,-1524.66 h9.25 r270; PIN_NUMBER "9" at 3540.47,-1580.43 h9.25 r270; PIN_NUMBER "1" at 3465.48,-1489.69 h9.25 r270; PIN_NUMBER "3" at 3465.48,-1521.18 h9.25 r270; PIN_NUMBER "20" at 3485.83,-1465.87 h9.25 r270; PIN_NUMBER "17" at 3533.07,-1465.87 h9.25 r270; PIN_NUMBER "2" at 3465.48,-1505.43 h9.25 r270; PIN_NUMBER "4" at 3465.48,-1536.93 h9.25 r270; PIN_NUMBER "19" at 3501.58,-1465.87 h9.25 r270; PIN_NUMBER "5" at 3465.48,-1552.68 h9.25 r270; PIN_NUMBER "10" at 3548.82,-1580.43 h9.25 r270; PIN_NUMBER "7" at 3508.98,-1580.43 h9.25 r270; PIN_NUMBER "12" at 3576.57,-1540.87 h9.25 r270; PIN_NUMBER "6" at 3493.23,-1580.43 h9.25 r270; PIN_NUMBER "11" at 3576.57,-1556.61 h9.25 r270; PIN_NUMBER "8" at 3524.73,-1580.43 h9.25 r270; PIN_NUMBER "14" at 3576.57,-1509.37 h9.25 r270; PIN_NUMBER "16" at 3548.82,-1465.87 h9.25 r270; PIN_NUMBER "15" at 3576.57,-1493.62 h9.25 r270; PIN_NUMBER "13" at 3576.57,-1525.12 h9.25 r270; PIN_NUMBER "18" at 3517.33,-1465.87 h9.25 r270
U39: PIN_NUMBER "21" at 3518.61,-784.66 h9.25 r270; PIN_NUMBER "9" at 3540.47,-840.43 h9.25 r270; PIN_NUMBER "19" at 3501.58,-725.87 h9.25 r270; PIN_NUMBER "3" at 3465.48,-781.18 h9.25 r270; PIN_NUMBER "5" at 3465.48,-812.68 h9.25 r270; PIN_NUMBER "20" at 3485.83,-725.87 h9.25 r270; PIN_NUMBER "7" at 3508.98,-840.43 h9.25 r270; PIN_NUMBER "17" at 3533.07,-725.87 h9.25 r270; PIN_NUMBER "6" at 3493.23,-840.43 h9.25 r270; PIN_NUMBER "4" at 3465.48,-796.93 h9.25 r270; PIN_NUMBER "1" at 3465.48,-749.69 h9.25 r270; PIN_NUMBER "2" at 3465.48,-765.43 h9.25 r270; PIN_NUMBER "11" at 3576.57,-816.61 h9.25 r270; PIN_NUMBER "16" at 3548.82,-725.87 h9.25 r270; PIN_NUMBER "13" at 3576.57,-785.12 h9.25 r270; PIN_NUMBER "15" at 3576.57,-753.62 h9.25 r270; PIN_NUMBER "14" at 3576.57,-769.37 h9.25 r270; PIN_NUMBER "8" at 3524.73,-840.43 h9.25 r270; PIN_NUMBER "12" at 3576.57,-800.87 h9.25 r270; PIN_NUMBER "10" at 3548.82,-840.43 h9.25 r270; PIN_NUMBER "18" at 3517.33,-725.87 h9.25 r270
U41: PIN_NUMBER "4" at 1930.5,-1047.6 h9.25 r180; PIN_NUMBER "5" at 1702.1,-1047.6 h9.25 r180; PIN_NUMBER "6" at 1702.1,-1073.2 h9.25 r180; PIN_NUMBER "8" at 1702.1,-1124.4 h9.25 r180; PIN_NUMBER "3" at 1930.5,-1073.2 h9.25 r180; PIN_NUMBER "1" at 1930.5,-1124.4 h9.25 r180; PIN_NUMBER "7" at 1702.1,-1098.8 h9.25 r180; PIN_NUMBER "2" at 1930.5,-1098.8 h9.25 r180; Top Overlay "AT24C02D-XHM-T" at 1946,-1050.6 h45 r180
U42: PIN_NUMBER "7" at 1845.27,-520.32 h19.92 r270; PIN_NUMBER "6" at 1845.27,-545.91 h19.92 r270; PIN_NUMBER "5" at 1845.27,-571.5 h19.92 r270; PIN_NUMBER "8" at 1845.27,-494.73 h19.92 r270; PIN_NUMBER "1" at 1731.1,-494.73 h19.92 r270; PIN_NUMBER "2" at 1731.1,-520.32 h19.92 r270; PIN_NUMBER "3" at 1731.1,-545.91 h19.92 r270; PIN_NUMBER "4" at 1731.1,-571.5 h19.92 r270
U82: PIN_NUMBER "8" at 939.2,-2515.26 h12 r180; PIN_NUMBER "3" at 939.2,-2484.74 h12 r180; PIN_NUMBER "9" at 958.88,-2517.22 h12 r180; PIN_NUMBER "2" at 958.88,-2482.78 h12 r180; PIN_NUMBER "1" at 978.57,-2482.78 h12 r180; PIN_NUMBER "10" at 973.77,-2517.22 h12 r180; PIN_NUMBER "5" at 899.83,-2482.78 h12 r180; PIN_NUMBER "6" at 899.83,-2517.22 h12 r180; PIN_NUMBER "4" at 919.52,-2482.78 h12 r180; PIN_NUMBER "7" at 919.52,-2517.22 h12 r180
U88: PIN_NUMBER "3" at 912.8,-2780.74 h12; PIN_NUMBER "8" at 912.8,-2811.26 h12; PIN_NUMBER "1" at 873.43,-2778.78 h12; PIN_NUMBER "10" at 878.23,-2813.22 h12; PIN_NUMBER "5" at 952.17,-2778.78 h12; PIN_NUMBER "6" at 952.17,-2813.22 h12; PIN_NUMBER "4" at 932.48,-2778.78 h12; PIN_NUMBER "7" at 932.48,-2813.22 h12; PIN_NUMBER "2" at 893.12,-2778.78 h12; PIN_NUMBER "9" at 893.12,-2813.22 h12
U89: PIN_NUMBER "8" at 1059.2,-2515.26 h12 r180; PIN_NUMBER "3" at 1059.2,-2484.74 h12 r180; PIN_NUMBER "1" at 1098.57,-2482.78 h12 r180; PIN_NUMBER "10" at 1093.77,-2517.22 h12 r180; PIN_NUMBER "5" at 1019.83,-2482.78 h12 r180; PIN_NUMBER "6" at 1019.83,-2517.22 h12 r180; PIN_NUMBER "2" at 1078.88,-2482.78 h12 r180; PIN_NUMBER "9" at 1078.88,-2517.22 h12 r180; PIN_NUMBER "4" at 1039.52,-2482.78 h12 r180; PIN_NUMBER "7" at 1039.52,-2517.22 h12 r180
U99: PIN_NUMBER "8" at 1030.8,-2780.74 h12 r180; PIN_NUMBER "3" at 1030.8,-2811.26 h12 r180; PIN_NUMBER "1" at 1070.17,-2813.22 h12 r180; PIN_NUMBER "10" at 1074.97,-2778.78 h12 r180; PIN_NUMBER "6" at 991.43,-2778.78 h12 r180; PIN_NUMBER "5" at 991.43,-2813.22 h12 r180; PIN_NUMBER "2" at 1050.48,-2813.22 h12 r180; PIN_NUMBER "9" at 1050.48,-2778.78 h12 r180; PIN_NUMBER "4" at 1011.12,-2813.22 h12 r180; PIN_NUMBER "7" at 1011.12,-2778.78 h12 r180
U100: PIN_NUMBER "3" at 1803.2,-2404.74 h12 r180; PIN_NUMBER "8" at 1803.2,-2435.26 h12 r180; PIN_NUMBER "2" at 1822.88,-2402.78 h12 r180; PIN_NUMBER "9" at 1822.88,-2437.22 h12 r180; PIN_NUMBER "1" at 1842.57,-2402.78 h12 r180; PIN_NUMBER "10" at 1837.77,-2437.22 h12 r180; PIN_NUMBER "6" at 1763.83,-2437.22 h12 r180; PIN_NUMBER "5" at 1763.83,-2402.78 h12 r180; PIN_NUMBER "7" at 1783.52,-2437.22 h12 r180; PIN_NUMBER "4" at 1783.52,-2402.78 h12 r180
U101: PIN_NUMBER "3" at 1499.2,-2404.74 h12 r180; PIN_NUMBER "8" at 1499.2,-2435.26 h12 r180; PIN_NUMBER "6" at 1459.83,-2437.22 h12 r180; PIN_NUMBER "5" at 1459.83,-2402.78 h12 r180; PIN_NUMBER "4" at 1479.52,-2402.78 h12 r180; PIN_NUMBER "7" at 1479.52,-2437.22 h12 r180; PIN_NUMBER "10" at 1533.77,-2437.22 h12 r180; PIN_NUMBER "1" at 1538.57,-2402.78 h12 r180; PIN_NUMBER "9" at 1518.88,-2437.22 h12 r180; PIN_NUMBER "2" at 1518.88,-2402.78 h12 r180
U102: PIN_NUMBER "3" at 2525.2,-2404.74 h12 r180; PIN_NUMBER "8" at 2525.2,-2435.26 h12 r180; PIN_NUMBER "6" at 2485.83,-2437.22 h12 r180; PIN_NUMBER "5" at 2485.83,-2402.78 h12 r180; PIN_NUMBER "7" at 2505.52,-2437.22 h12 r180; PIN_NUMBER "4" at 2505.52,-2402.78 h12 r180; PIN_NUMBER "2" at 2544.88,-2402.78 h12 r180; PIN_NUMBER "9" at 2544.88,-2437.22 h12 r180; PIN_NUMBER "1" at 2564.57,-2402.78 h12 r180; PIN_NUMBER "10" at 2559.77,-2437.22 h12 r180
U103: PIN_NUMBER "3" at 2221.2,-2404.74 h12 r180; PIN_NUMBER "8" at 2221.2,-2435.26 h12 r180; PIN_NUMBER "10" at 2255.77,-2437.22 h12 r180; PIN_NUMBER "1" at 2260.57,-2402.78 h12 r180; PIN_NUMBER "9" at 2240.88,-2437.22 h12 r180; PIN_NUMBER "2" at 2240.88,-2402.78 h12 r180; PIN_NUMBER "5" at 2181.83,-2402.78 h12 r180; PIN_NUMBER "6" at 2181.83,-2437.22 h12 r180; PIN_NUMBER "4" at 2201.52,-2402.78 h12 r180; PIN_NUMBER "7" at 2201.52,-2437.22 h12 r180
U108: PIN_NUMBER "2" at 1800,-2892.82 h30 r90; PIN_NUMBER "4" at 1837.4,-2995.18 h30 r90; PIN_NUMBER "5" at 1762.6,-2995.18 h30 r90; PIN_NUMBER "1" at 1762.6,-2892.82 h30 r90; PIN_NUMBER "3" at 1837.4,-2892.82 h30 r90
U109: PIN_NUMBER "2" at 804,-2892.82 h30 r90; PIN_NUMBER "5" at 766.6,-2995.18 h30 r90; PIN_NUMBER "4" at 841.4,-2995.18 h30 r90; PIN_NUMBER "1" at 766.6,-2892.82 h30 r90; PIN_NUMBER "3" at 841.4,-2892.82 h30 r90
U112: PIN_NUMBER "4" at 1050.5,-625.6 h9.25 r180; PIN_NUMBER "5" at 822.1,-625.6 h9.25 r180; PIN_NUMBER "1" at 1050.5,-702.4 h9.25 r180; PIN_NUMBER "7" at 822.1,-676.8 h9.25 r180; PIN_NUMBER "8" at 822.1,-702.4 h9.25 r180; PIN_NUMBER "6" at 822.1,-651.2 h9.25 r180; PIN_NUMBER "2" at 1050.5,-676.8 h9.25 r180; PIN_NUMBER "3" at 1050.5,-651.2 h9.25 r180; Top Overlay "P25Q40H-TSH-IR" at 1066,-628.6 h45 r180
U113: PIN_NUMBER "1" at 1223.89,-622.6 h12 r180; PIN_NUMBER "3" at 1310.51,-660 h12 r180; PIN_NUMBER "2" at 1223.89,-697.4 h12 r180
U114: PIN_NUMBER "2" at 1372.82,-652 h30 r180; PIN_NUMBER "4" at 1475.18,-689.4 h30 r180; PIN_NUMBER "5" at 1475.18,-614.6 h30 r180; PIN_NUMBER "1" at 1372.82,-614.6 h30 r180; PIN_NUMBER "3" at 1372.82,-689.4 h30 r180
Y1: REVISION "2" at 668,-2036 h20 r180; PIN_NUMBER "2" at 619.89,-2069.46 h8 r180; PIN_NUMBER "1" at 706.51,-2069.46 h8 r180; PIN_NUMBER "4" at 706.51,-2002.54 h8 r180; PIN_NUMBER "3" at 619.89,-2002.54 h8 r180; NVIDIA_INFO "0.50" at 538.43,-2043.09 h11.81 r180; NVIDIA_INFO "1.20" at 450.98,-1971.83 h11.81 r180; NVIDIA_INFO "1.40" at 721.02,-1949.39 h11.81 r180; NVIDIA_INFO "0.80" at 748.98,-2156.31 h11.81 r180; MECH_DIMENSION "0.80" at 850.91,-2013.56 h11.81 r180; MECH_DIMENSION "0.05tol" at 559.61,-2169.66 h11.81 r180; MECH_DIMENSION "3.20" at 680.08,-2138.95 h11.81 r180; MECH_DIMENSION "0.70" at 805.98,-2043.09 h11.81 r180; MECH_DIMENSION "1.20" at 740.31,-1954.07 h11.81 r180; MECH_DIMENSION "2.60" at 559.09,-2043.09 h11.81 r180
Y2: REVISION "2" at 652,-1304 h20 r90; PIN_NUMBER "2" at 613.74,-1260.69 h8 r90; PIN_NUMBER "1" at 613.74,-1347.31 h8 r90; PIN_NUMBER "4" at 680.66,-1347.31 h8 r90; PIN_NUMBER "3" at 680.66,-1260.69 h8 r90; NVIDIA_INFO "0.80" at 523.69,-1392.98 h11.81 r90; NVIDIA_INFO "1.40" at 730.61,-1365.02 h11.81 r90; NVIDIA_INFO "1.20" at 708.17,-1094.98 h11.81 r90; NVIDIA_INFO "0.50" at 636.91,-1182.43 h11.81 r90; MECH_DIMENSION "2.60" at 636.91,-1203.09 h11.81 r90; MECH_DIMENSION "1.20" at 725.93,-1384.31 h11.81 r90; MECH_DIMENSION "0.70" at 636.91,-1449.98 h11.81 r90; MECH_DIMENSION "3.20" at 541.05,-1324.08 h11.81 r90; MECH_DIMENSION "0.05tol" at 510.34,-1203.61 h11.81 r90; MECH_DIMENSION "0.80" at 666.44,-1494.91 h11.81 r90
Y6: REVISION "2" at 837,-1448 h20; PIN_NUMBER "2" at 885.11,-1481.46 h8; PIN_NUMBER "4" at 798.49,-1414.54 h8; PIN_NUMBER "3" at 885.11,-1414.54 h8; PIN_NUMBER "1" at 798.49,-1481.46 h8; NVIDIA_INFO "0.50" at 966.57,-1455.09 h11.81; NVIDIA_INFO "1.20" at 1054.02,-1383.83 h11.81; NVIDIA_INFO "1.40" at 783.98,-1361.39 h11.81; NVIDIA_INFO "0.80" at 756.02,-1568.31 h11.81; MECH_DIMENSION "0.80" at 654.09,-1425.56 h11.81; MECH_DIMENSION "0.05tol" at 945.39,-1581.66 h11.81; MECH_DIMENSION "3.20" at 824.92,-1550.95 h11.81; MECH_DIMENSION "0.70" at 699.02,-1455.09 h11.81; MECH_DIMENSION "1.20" at 764.69,-1366.07 h11.81; MECH_DIMENSION "2.60" at 945.91,-1455.09 h11.81